# Altium PCB MB1191.PcbDoc (part 2 of 7) (continued)
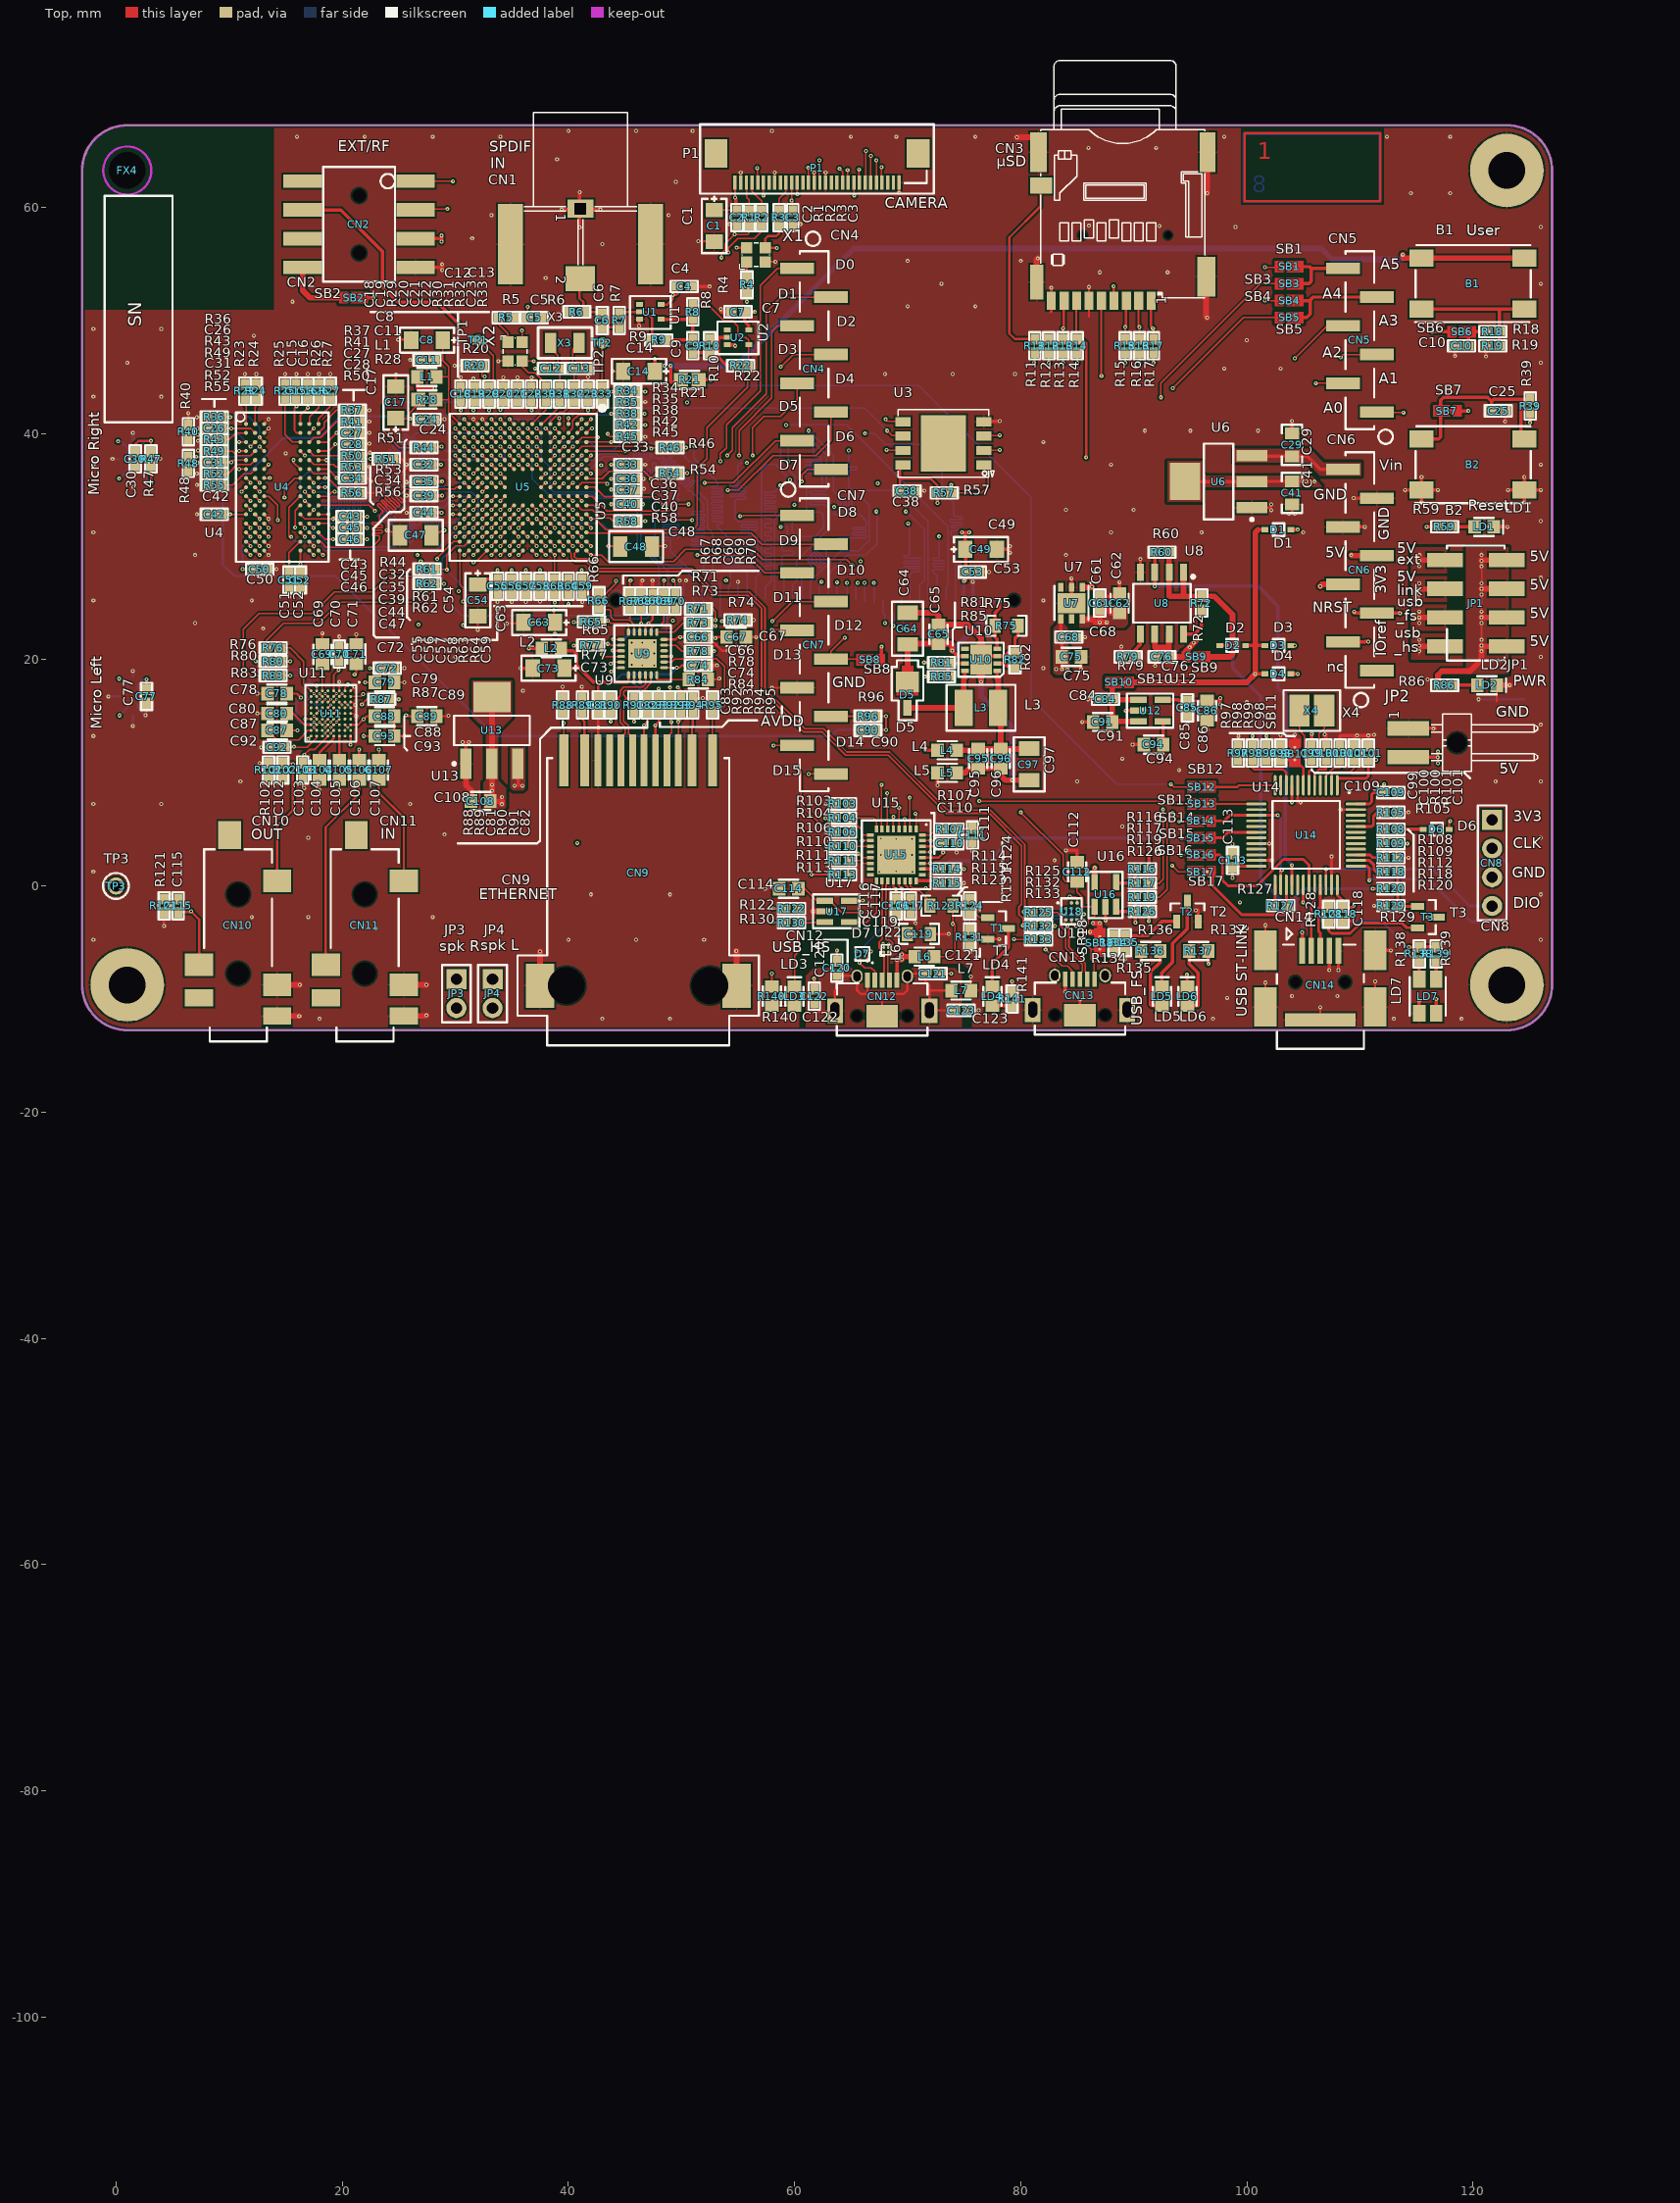
[diagram p0: Top view]
## Nets (pads, with @x,y where several pads share a name; then routed paths per layer and width w, separated by ;. In a path a pad name is that pad's centre, name@x,y a point inside that pad or via, vN(x,y) a via of type N, cw(c..) or ccw(c..) an arc to the next point about the centre after c; other vN are vias at no path point)
1V8: C70.1 C92.1 C93.1 C108.2 C110.2 U11.D1 U11.D8 U11.G9 U13.2 U13.4 U15.28 U15.30 | length 102.9
  Top w0.15: v1(15.75,12.3) 14.85,12.3 C92.1@14.85,12.25 16.9,12.25 17.75,13.1 U11.G9@17.75,13.25 ; v2(19,13.5) U11.D8@19.25,13.75 ; U11.D1@19.25,17.25 19.25,18.65 v1(19.7,19.1) 19.75,19.15 C70.1@19.75,19.9 ; v1(21.9,13.25) C93.1@22.9,13.25
  Top w0.2: U15.28@71.3,2.5 72.75,2.5 73.15,2.9 v1(73.15,2.95) C110.2@73.15,3.75 72.6,3.75 72.35,3.5 U15.30@71.3,3.5
  Top w0.5: U13.4@33.25,16.7 U13.2@33.25,10.8 v1@33.25,8.94 ; v1(33.26,8.95) v1@33.25,8.94 ; v1(34.13,7.23) 34.13,7.48 ; 34.14,7.48 34.13,7.48 ; v1@33.25,8.94 v1(33.25,8.4) 33.25,7.65 C108.2@33.1,7.5 33.1,7.48 34.13,7.48
  F5 w0.5: v1(15.75,12.3) 20.2,12.3 20.2,13.25 ; 19.45,13.25 20.2,13.25 ; v1(19.7,19.1) 20.5,19.9 22.95,19.9 23.5,19.35 23.5,13.35 23.6,13.25 ; v1(34.13,7.23) v1@34.14,7.23 ; v1(34.14,7.85) 34.14,7.51 ; v1(73.15,2.95) 73.15,6.45 69.65,9.95 63.1,9.95 60.68,7.53 34.15,7.53 34.15,7.23 v1@34.14,7.23 ; 20.2,13.25 20.25,13.25 ; 20.2,13.25 20.2,13.3 20.25,13.25 ; 20.25,13.25 v1(21.9,13.25) 23.6,13.25 ; 23.6,13.25 27.85,9 31.71,9 33.2,7.51 34.14,7.51 ; v1@34.14,7.23 34.14,7.51
3V3: C1.1 C2.2 C3.2 C4.2 C5.2 C7.2 C15.2 C16.2 C26.2 C27.2 C28.2 C31.2 C34.2 C38.2 C42.2 C43.2 C45.2 C46.2 C49.1 C50.2 C51.2 C52.2 C53.2 C60.2 C63.1 C68.2 C71.2 C72.1 C75.2 C79.1 C82.2 C83.2 C103.1 C111.1 CN2.5 CN3.4 CN6.2 CN6.4 CN9.5 CN9.6 L2.2 L4.1 P1.20 P1.30 R4.1 R5.1 R12.2 R13.2 R14.2 R15.2 R16.2 R17.2 R21.2 R34.2 R38.1 R39.2 R42.1 R46.2 R54.2 R57.2 R61.2 R62.2 R65.2 R67.2 R70.2 R73.2 R77.2 R80.2 R85.2 R87.2 R90.1 R91.1 R92.1 R93.1 R104.2 R107.2 R110.2 R113.2 R116.2 R122.1 R126.2 R136.2 R137.2 R140.2 R141.2 U1.5 U2.5 U3.8 U4.A7 U4.B2 U4.B7 U4.C9 U4.D9 U4.E1 U4.F9 U4.L1 U4.L7 U4.M9 U4.N9 U4.P2 U4.P7 U4.R7 U7.4 U9.9 U11.B2 U11.C2 U11.D2 U11.E9 U13.3 U19.4 X1.4 X2.4 | length 155.6
  Top w0.12: U4.P2@12.3,30.45 v1(12.7,30.05) ; v1(37.85,23.275) 38.809,23.275 C63.1@38.824,23.29 ; v1(38.725,24.35) 38.725,23.389 C63.1@38.824,23.29 ; v1(38.824,22.269) C63.1@38.824,23.29 ; v1(40.5,23.32) 41.41,23.32 R65.2@41.44,23.35 ; R65.2@41.25,23.5 R65.2@41.3,23.55 ; R65.2@41.42,23.25 R65.2@41.44,23.23
  Top w0.15: C42.2@9.3,32.85 v1(10.1,32.85) U4.L1@11.5,32.85 ; C31.2@9.3,37.45 v1(10.2,37.45) 10.4,37.65 U4.E1@11.5,37.65 ; C26.2@9.3,40.45 v1(10.2,40.45) 11.9,40.45 U4.B2@12.3,40.05 ; C51.2@15.3,27.65 v1(15.3,28.65) 15.3,29.45 U4.P7@16.3,30.45 ; C52.2@16.3,27.65 v1(16.3,28.45) U4.R7@16.3,29.65 ; U4.L7@16.3,32.85 16.7,32.45 v1@19.1,32.45 ; C103.1@16.5,10.85 16.5,11.551 16.65,11.551 v1(16.65,11.6) 17.1,12.05 17.55,12.05 U11.E9@18.75,13.25 ; U4.N9@17.9,31.25 18.5,30.65 v1(19.2,30.65) C46.2@20.1,30.65 ; U4.M9@17.9,32.05 18.7,32.05 19.1,31.65 v1(19.2,31.65) C45.2@20.1,31.65 ; v1(19.2,32.45) v1@19.1,32.45 ; U11.D2@19.25,16.75 v2(19.5,17) ; v1(19.5,36.05) 19.399,36.05 19.449,36 19.503,36.003 C34.2@20.3,36.05 ; U11.C2@19.75,16.75 v2(20,17) U11.B2@20.25,16.75 ; C43.2@20.1,32.65 19.3,32.65 v1@19.1,32.45 ; v1(26.9,26.1) R62.2@26.9,26.75 ; R61.2@26.9,28 26.95,28 v1(26.95,28.7) ; R5.1@35.1,50.25 C5.2@36.4,50.25 v1(36.4,51.2) ; v1(35.9,49.1) 35.925,49.1 X2.4@35.925,48.075 ; R67.2@45.436,25.786 45.436,27 v1(45.5,27) ; R42.1@45.85,40.75 v1(46.8,40.75) ; R38.1@45.85,41.75 v1(46.75,41.75) ; R34.2@45.85,43.75 46.8,43.75 v1(46.8,43.7) ; R92.1@49,16.6 v1(49,17.55) ; v1(49.3,27) 49.3,26.95 49.436,26.814 R70.2@49.436,25.786 ; R46.2@49.6,38.75 v1(50.4,38.75) ; v1(49.7,17.55) 50,17.25 R93.1@50,16.6 ; C1.1@52.9,59.747 54.75,59.747 v1(54.75,60.85) ; P1.30@54.75,62.175 v1(54.75,60.85) ; C2.2@54.9,59.7 54.9,60.7 v1(54.75,60.85) ; R140.2@58,-8.9 v1(58,-7.75) ; P1.20@59.75,62.175 v1(59.75,60.6) 59.85,60.6 C3.2@59.85,59.7
  Top w0.165: C15.2@15.95,43.15 15.95,42.414 v1(15.967,42.414) 15.789,42.236 15.789,40.26 16,40.05 U4.B7@16.3,40.05 ; U4.A7@16.3,40.85 16.3,41.616 v1(16.963,42.279) C16.2@16.95,43.15 ; U4.F9@17.9,36.85 18.75,36.85 19.5,36.1 v1(19.5,36.05) ; U4.D9@17.9,38.45 18.8,38.45 v1(19.4,39.05) 19.413,39.037 C28.2@20.3,39.05 ; U4.C9@17.9,39.25 18.7,39.25 v1(19.5,40.05) 19.513,40.037 C27.2@20.3,40.05
  Top w0.2: v1(11.2,28) C50.2@12.1,28 ; R80.2@14.5,19.85 v1(15.4,19.85) ; v1(21.1,18.7) 21.25,18.85 C71.2@21.25,19.65 ; v1(22.05,18) C79.1@22.9,18 ; v1(22.45,19.25) C72.1@23.4,19.25 ; R87.2@24.1,16.5 v1(25,16.5) ; 35.58,8.87 v1(35.94,8.87) ; v1(40.475,21.25) 41.15,21.25 R77.2@41.4,21.5 ; R90.1@43.75,15.4 43.76,15.4 v1(43.76,14.54) ; R91.1@45.8,15.4 45.81,15.4 v1(45.81,14.53) ; CN9.6@46.694,11.099 46.694,14.194 v1(46.7,14.2) 47,14.5 C82.2@47,15.4 ; U9.9@46.822,22.439 46.822,22.922 v1(47.1,23.2) 47.45,23.55 C60.2@47.45,24.6 ; CN9.5@47.71,11.099 47.71,14.21 v1(47.7,14.2) 48,14.5 C83.2@48,15.4 ; U1.5@48.2,51.4 48.75,51.4 49.25,51.9 v1(49.25,52.25) 49.55,52.25 49.65,52.35 C4.2@49.65,53 ; R54.2@49.6,36.5 v1(50.5,36.5) ; R73.2@52.1,23.25 52.65,23.25 52.9,23 v1(53,23) ; v1(54.875,56.425) X1.4@55.775,56.425 ; v1(55.8,51.65) R4.1@55.8,52.55 ; v1(58.1,-2) R122.1@59.15,-2 ; v1(61.5,1) R113.2@63.65,1 ; v1(62.75,6) R104.2@63.65,6 ; v1(62.8,3.5) R110.2@63.65,3.5 ; U3.8@69.272,37.269 69.347,37.269 69.347,36 ; C38.2@69.347,34.924 69.347,36 ; R57.2@72.65,34.75 72.65,35.4 72.05,36 69.347,36 ; v1(82.5,46.25) R12.2@82.5,47.15 ; v1(83.75,46.25) R13.2@83.75,47.15 ; v1(85,46.25) R14.2@85,47.15 ; v1(88.225,53.025) 88.225,51.4 CN3.4@88.45,51.175 ; v1(89.25,46.25) R15.2@89.25,47.15 ; v1(90.5,46.25) R16.2@90.5,47.15 ; v1(91.75,46.25) R17.2@91.75,47.15
  Top w0.3: CN2.5@26.5,57.23 28.8,57.23 ; v1(28.8,56.95) 28.8,57.23 ; v1(28.8,57.5) 28.8,57.23 ; U13.3@35.55,10.8 35.58,10.8 35.58,8.87 ; v1(36.5,21) L2.2@37.65,21 ; R21.2@51.525,44.75 v1(52.6,44.75) ; U2.5@55.95,49.15 55.95,49.55 55.6,49.9 C7.2@55.6,50.75 v1(56.5,50.75) ; v1(71.55,12) L4.1@72.65,12 ; v1(71.55,18.5) R85.2@72.4,18.5 ; v1(72.65,33.85) R57.2@72.65,34.75 ; R107.2@74.35,5 75.75,5 C111.1@75.75,5.1 v1(76.6,5.1) ; v1(74.8,31.25) 75.103,31.25 ; v1(74.975,26.95) 75.15,27 C53.2@75.15,27.75 75.15,29.75 C49.1@75.103,29.75 75.103,31.25 ; v1(75.45,31.25) 75.103,31.25 ; R141.2@79.25,-9.4 v1(79.25,-8.45) ; U7.4@83.55,23.6 83.55,22 C68.2@83.65,22 C75.2@83.65,20.25 v1(83.65,19.15) ; v1(90.65,-6.85) R136.2@90.65,-5.75 ; v1(91.35,-3.1) R126.2@91.35,-2.25 ; R116.2@91.35,1.5 v1(91.35,3.75) ; v1(96.6,-6.9) R137.2@96.6,-5.75 ; CN6.2@108.5,21.58 110.45,21.58 110.45,21.6 v1(110.75,21.6) ; v1(125.05,40.95) 125.071,40.95 R39.2@125.071,41.821
  Top w0.5: v1(106.5,26.5) 106.66,26.66 CN6.4@108.5,26.66
  F2 w0.2: v1(35.24,8.87) v1(35.94,8.87)
  Bottom w0.15: v1(11.2,28) 11.2,30.15 11.5,30.45 12.3,30.45 v1(12.7,30.05)
  Bottom w0.3: U19.4@74.975,25.25 v1(74.975,26.95)
  other v1: 84.12,19.14 83.14,19.17
3V3_ST_LINK: C85.2 C86.1 C101.2 C109.2 C113.2 C118.1 CN8.1 LD7.4 R98.1 R99.2 R109.2 T3.3 U12.5 U14.1 U14.9 U14.24 U14.36 U14.48 | length 28
  Top w0.25: v1(98.75,0.7) C113.2@98.75,1.65 98.75,1.75 U14.24@100.85,1.75 ; R98.1@100.5,12.35 v1(100.5,13.25) ; R99.2@101.75,12.35 v1(101.75,13.25) ; v1(104,7.4) U14.9@104,8.9 ; U14.36@108,0.1 108,-0.8 108.5,-1.3 C118.1@108.5,-1.9 109.3,-1.9 v1(109.45,-1.75) ; U14.1@108,8.9 108,9.5 110.55,9.5 110.75,9.7 C101.2@110.75,11.15 v1(111.45,11.15) ; U14.48@109.65,7.25 110.85,7.25 111.05,7.45 111.05,8.1 111.2,8.25 C109.2@112.15,8.25 v1(112.15,9) ; R109.2@113.35,3.75 v1(114.2,3.75) ; v1(116,-2.75) T3.3@116.9,-2.75
  Top w0.3: U12.5@92.575,16.45 93.95,16.45 94.05,16.35 C85.2@94.75,16.35 97.65,16.35 ; v1(97.65,16.05) 97.65,16.35 ; v1(97.65,16.6) 97.65,16.35 ; LD7.4@116.75,-11.25 v1(116.75,-10)
5V: C61.2 C62.2 C117.1 CN6.5 D6.1 JP1.2 JP1.4 JP1.6 JP1.8 R86.1 SB2.2 U7.1 U7.6 U15.21 U16.5 U17.5 | length 246.6
  Top w0.15: U15.21@69.25,0.45 69.25,0.001 v1(69.5,-0.25) ; 120.72,28.072 120.75,28.042 ; v1(120.75,21.75) v1(120.75,23.25) ; v1(120.75,24.25) v1(120.75,25.75) ; v1(120.75,26.75) 120.771,26.771 120.771,28.021 120.75,28.042 ; v1(120.75,28.75) v1(120.75,28.25) 120.75,28.042 ; v1@120.75,28.81 v1(120.75,29.25) 120.75,29.489
  Top w0.2: U17.5@64.825,-1.3 v1(66.05,-1.3) ; v1(69.5,-0.25) 69.601,-0.35 69.601,-0.951 69.8,-1.15 C117.1@70.25,-1.15 ; D6.1@117.893,5 117.893,5.75 v1(118,5.75)
  Top w0.3: SB2.2@21.6,52 v1(22.75,52)
  Top w0.5: U7.6@85.45,23.6 85.51,23.54 86.39,23.54 86.63,23.3 v1(87,23.3) ; U7.1@85.45,26.4 86.3,26.4 v1(86.3,26.45) ; U16.5@86.55,0.325 v1(86.55,1.6) ; v1(87.62,23.3) v1(87,23.3) ; C62.2@88.75,24.15 87.95,24.15 87.7,24.4 C61.2@87,24.4 v1(87,23.3) ; v1(109.25,29.25) 109.3,29.2 CN6.5@111.5,29.2 ; R86.1@116.9,17.75 116.9,18.65 117.25,19 119.75,19 120.75,20 v1(120.75,20.75) v1@120.75,21.19 ; v1(120.75,21.25) v1@120.75,21.19 ; v1(120.75,23.75) 120.75,23.73 JP1.6@122.981,23.73 ; v1@120.75,26.25 v1(120.75,26.27) JP1.4@122.981,26.27 ; v1(120.75,28.75) 120.75,28.81 JP1.2@122.981,28.81 ; JP1.8@122.981,21.19 v1@120.75,21.19
  F5 w0.15: v1(120.75,21.25) v1(120.75,21.75) 120.75,22 ; v1(120.75,23.25) v1(120.75,23.75) v1(120.75,24.25) ; v1(120.75,25.75) v1(120.75,26.27) v1(120.75,26.75)
  F5 w0.2: v1(66.05,-1.3) v1@66.07,-1.3 ; v1@86.55,1.54 v1(86.55,1.6)
  F5 w0.5: v1(22.75,52) 20.88,50.13 11.18,50.13 8.32,47.27 8.32,9.61 11.65,6.28 26.29,6.28 30.42,2.15 57.69,2.15 61.14,-1.3 v1(66.05,-1.3) ; v1@66.07,-1.3 66.12,-1.25 70.15,-1.25 ; 70.25,-1.15 70.15,-1.25 ; v1(86.3,26.45) 86.3,23.63 86.63,23.3 v1(87,23.3) 87,1.99 v1@86.55,1.54 ; v1(86.55,1.6) 85.1,1.6 84.75,1.25 82,1.25 79.5,-1.25 70.15,-1.25 ; v1(87.62,23.3) 88.45,23.3 89.9,24.75 90,24.75 90,27 92.17,29.17 109.17,29.17 v1(109.25,29.25) v1@109.185,29.185 ; v1@117.893,5.75 v1(118,5.75) ; 118,5 v1(118,5.75) ; v1(120.75,21.25) v1(120.75,20.75) 120.75,19.1 119.95,18.3 119.95,11.2 118,9.25 v1(118,5.75)
  Bottom w0.2: v1(120.75,20.75) v1(120.75,21.25)
5V_ST_LINK: C76.2 JP1.3 SB9.1 U8.6 U8.7 | length 33.2
  Top w0.2: 94.6,20.25 SB9.1@95,20.25 ; v1(95.3,21.5) v1@95.35,21.55 ; v1@115.23,26.786 115.258,26.758 v1(115.25,26.75) ; 115.232,25.5 v1@115.232,25.602
  Top w0.3: v1@95.35,21.5 v1@95.35,21.55
  Top w0.5: U8.6@91.865,22.269 91.865,21.1 93.1,21.1 ; U8.7@93.135,22.269 93.1,22.269 93.1,21.1 ; v1(95.65,21.8) 95.35,21.5 v1(94.95,21.1) 94.6,20.75 94.6,20.25 C76.2@93.1,20.25 93.1,21.1 ; v1(115.25,26.25) 117.52,26.25 JP1.3@117.52,26.27
  F5 w0.2: v1@95.3,21.6 95.575,21.875 97.75,24.05
  F5 w0.5: v1(95.3,21.5) v1@95.3,21.6 ; 97.75,24.05 98.7,25 ; 98.95,25.25 98.7,25 ; v1(115.25,26.25) 107.5,26.25 107,25.75 99.45,25.75 98.7,25
  other v1: 115.25,25.75
5V_USB_FS: D3.1 JP1.5 SB18.1 | length 54.8
  Top w0.15: SB18.1@87,-4.5 87,-4.3
  Top w0.2: D3.1@103.893,21.25 v1(104.25,21.25)
  Top w0.5: v1(86.15,-4.05) 86.15,-4.1 87,-4.1 ; v1@86.5,-3.3 v1(87,-3.3) 87,-4.1 ; 87,-4.3 87,-4.1 ; 115,23.75 115.25,23.75 v1(115.25,23.73) JP1.5@117.52,23.73
  F5 w0.15: v1@115.203,24.297 v1(115.25,24.25)
  F5 w0.2: v1(87,-3.3) 87,-2.2 86.8,-2.2 90.75,1.75 90.75,11.5 101,21.75 104.75,21.75 ; v1(104.25,21.25) 104.55,21.55 104.75,21.75 ; 109.25,22.25 109.7,22.7 110,23 ; 112.75,22.5 112.75,23.2 ; 115,23.75 115.25,23.75 v1(115.25,23.73) v1(115.25,23.25) 115.25,23.2 112.75,23.2 ; 104.75,21.75 108.75,21.75 110,23 ; 110,23 110.2,23.2 112.75,23.2
  other v1: 86.4,-3.3
5V_USB_HS: CN12.1 D4.1 D7.A1 JP1.7 L6.2 | length 74.9
  Top w0.12: D7.A1@66.2,-6.2 66.525,-6.525 66.6,-6.6 v1(66.45,-6.6) ; 115.25,20.4 v1(115.25,20.75) 115.25,21.19 v1(115.25,21.25) v1(115.25,21.75) v1@115.25,21.8
  Top w0.3: v1(69.05,-6.55) v1@69.057,-6.543 ; CN12.1@69.057,-8.318 v1@69.057,-6.543 ; v1(69.5,-6.05) 69.057,-6.493 69.057,-6.5 v1@69.057,-6.543 ; D4.1@103.893,18.75 v1(104.5,18.75)
  Top w0.5: v1@69.057,-6.5 v1(69.5,-6.5) ; v1(69.5,-6.05) 69.5,-6.25 L6.2@70.65,-6.25 ; v1@115.25,21.19 JP1.7@117.519,21.19
  F5 w0.5: v1(66.45,-6.6) 66.6,-6.75 68.85,-6.75 v1(69.05,-6.55) 69.1,-6.5 v1(69.5,-6.5) 79.25,-6.5 80.85,-4.9 87.9,-4.9 87.75,-4.75 90.75,-4.75 ; 91.25,-4.75 90.75,-4.75 ; v1(115.25,21.25) v1(115.25,20.75) 115.25,20.5 106.75,12 100.75,12 96.25,7.5 96.25,0.75 90.75,-4.75
5V_USB_ST_LINK: CN14.1 D2.1 R60.2 R72.2 R120.2 SB9.2 U8.1 U8.2 | length 59.5
  Top w0.3: D2.1@97.607,21.25 v1(98.75,21.25) 98.75,20.5 98.75,20.25 98.5,20.25 ; v1(104.9,-4.1) 104.903,-4.1 CN14.1@104.903,-5.75 ; v1(111.15,-0.25) R120.2@112.15,-0.25
  Top w0.5: R60.2@93.1,29.5 93.135,29.5 U8.2@93.135,27.73 93.135,25.65 93.185,25.6 94.405,25.6 ; U8.1@94.405,27.73 94.405,25.6 ; SB9.2@96.1,20.25 98.5,20.25 98.75,20.5 ; v1(98.75,21.25) 98.75,24 97.15,25.6 94.405,25.6
  Bottom w0.3: v1(98.75,21.25) 98.75,19.25 101.25,16.75 101.25,0.55 104.35,-2.55 ; v1(104.9,-4.1) 104.9,-3.1 104.35,-2.55 ; v1(111.15,-0.25) 105,-0.25 104.35,-0.9 104.35,-2.55
AIN_1: R97.2 R98.2 U14.10 | length 6.2
  Top w0.2: R97.2@99.25,11.15 R98.2@100.5,11.15 100.5,10.45 100.65,10.3 103.2,10.3 103.5,10 U14.10@103.5,8.9
ARD_A0: CN5.1 U5.N3 | length 92
  Top w0.12: v1(31.6,39.65) U5.N3@32,39.25 ; CN5.1@111.5,41.9 111.5,41.85 v1(113.85,41.85)
  F4 w0.12: v1(31.6,39.65) 32,39.25 35.15,39.25 35.2,39.3 35.2,39.95 35.3,40.05 36.55,40.05 36.8,40.3 36.8,41.45 41.29,45.94 47.7,45.94 48.45,46.69 66.9,46.69 67.51,47.3 86.9,47.3 91.6,42.6 113.1,42.6 v1(113.85,41.85)
ARD_A1: CN5.2 U5.L1 | length 82.7
  Top w0.12: v1(33.2,41.25) U5.L1@33.6,40.85 ; v1(106.1,44.45) 108.5,44.45 CN5.2@108.5,44.44
  F4 w0.12: v1(33.2,41.25) 33.35,41.4 33.35,41.65 33.6,41.9 33.6,45.3 36.8,48.5 91.65,48.5 95.7,44.45 v1(106.1,44.45)
ARD_A2: CN5.3 U5.L2 | length 86.9
  Top w0.12: v1(33.2,40.45) U5.L2@33.6,40.05 ; v1(108.3,46.75) 108.53,46.98 CN5.3@111.5,46.98
  F4 w0.12: v1(33.2,40.45) 33.6,40.85 33.6,41.4 33.9,41.7 34.15,41.7 40.65,48.2 90.65,48.2 95.65,43.2 106.15,43.2 107.35,44.4 107.35,45.8 v1(108.3,46.75)
ARD_A3: CN5.4 U5.L3 | length 86.3
  Top w0.12: v1(33.2,39.65) U5.L3@33.6,39.25 ; v1(104.25,46.65) 107.12,49.52 CN5.4@108.5,49.52
  F4 w0.12: v1(33.2,39.65) 32.8,40.05 32.8,41.55 32.6,41.75 32.6,42.7 33,43.1 33,45.05 36.75,48.8 49.75,48.8 50.75,49.8 80.9,49.8 81.9,48.8 91.9,48.8 93.95,46.75 104.15,46.75 v1(104.25,46.65)
ARD_A4: SB5.1 U5.K1 | length 76.8
  Top w0.12: v1(34,41.25) U5.K1@34.4,40.85 ; v1(93.45,44) 99.7,50.25 SB5.1@103.25,50.25
  F4 w0.12: v1(34,41.25) 34.15,41.25 40.18,47.28 65.98,47.28 66.6,47.9 89.5,47.9 93.4,44 v1(93.45,44)
ARD_A5: SB3.1 U5.K2 | length 79.5
  Top w0.12: v1(34,40.45) U5.K2@34.4,40.05 ; v1(92.4,43.2) 92.4,44.45 101.2,53.25 SB3.1@103.25,53.25
  F4 w0.12: v1(34,40.45) 34.4,40.85 34.98,40.85 41.12,46.99 66.51,46.99 67.12,47.6 87.1,47.6 91.5,43.2 v1(92.4,43.2)
ARD_D0: CN4.1 U5.G15 | length 49.3
  Top w0.12: U5.G15@36.8,29.65 v1(37.2,29.25) ; v1(53.45,37.55) 53.45,38.2 54,38.75 54,40.75 57,43.75 57,53.1 58.5,54.6 CN4.1@60.24,54.6
  F4 w0.12: v1(37.2,29.25) 37.6,29.65 39.8,29.65 40,29.45 40,29.05 40.2,28.85 50.3,28.85 51.95,30.5 55.45,30.5 55.85,30.9 55.85,35.1 53.45,37.5 v1(53.45,37.55)
ARD_D1: CN4.2 U5.H15 | length 51.3
  Top w0.12: v1(35.6,29.25) U5.H15@36,29.65 ; v1(54.05,38.05) 54.5,38.5 54.5,40.5 57.5,43.5 57.5,50.75 58.81,52.06 CN4.2@63.24,52.06
  F4 w0.12: v1(35.6,29.25) 36.05,28.8 38.1,28.8 38.6,28.3 54.15,28.3 56.1,30.25 56.1,35.3 54.05,37.35 v1(54.05,38.05)
ARD_D2: CN4.3 U5.J15 | length 47.1
  Top w0.12: v1(34.8,29.25) U5.J15@35.2,29.65 ; v1(55.1,38.05) 55.1,40.25 58,43.15 58,49.02 58.5,49.52 CN4.3@60.24,49.52
  F4 w0.12: v1(34.8,29.25) 35.5,28.55 37.85,28.55 38.95,27.45 43.05,27.45 43.5,27.9 54.25,27.9 56.35,30 56.35,36.25 55.1,37.5 v1(55.1,38.05)
ARD_D3: CN4.4 U5.A9 | length 30.4
  Top w0.12: U5.A9@41.6,34.45 42.1,34.45 43.4,33.15 48.85,33.15 49.45,33.75 v1(50.65,33.75) ; v1(58.8,45.9) 59.88,46.98 CN4.4@63.24,46.98
  F6 w0.12: v1(50.65,33.75) 50.85,33.75 51.35,34.25 51.35,38.45 v1(58.8,45.9)
ARD_D4: CN4.5 U5.J14 | length 43.4
  Top w0.12: v1(34.8,30.05) U5.J14@35.2,30.45 ; v1(56.3,38.05) 56.3,40.5 57.3,41.5 58.75,41.5 60.24,42.99 CN4.5@60.24,44.44
  F4 w0.12: v1(34.8,30.05) 34.4,29.65 34.4,28.9 35,28.3 37.75,28.3 39,27.05 43.1,27.05 43.5,27.45 54.3,27.45 56.75,29.9 56.75,37.6 v1(56.3,38.05)
ARD_D5: CN4.6 U5.E14 | length 32
  Top w0.12: U5.E14@38.4,30.45 v1(38.8,30.05) ; v1(54.1,35) 55.05,35 58.1,38.05 61.9,38.05 63.24,39.39 CN4.6@63.24,41.9
  F4 w0.12: v1(38.8,30.05) 39.2,30.45 42.4,30.45 42.95,31 51.2,31 54.1,33.9 v1(54.1,35)
ARD_D6: CN4.7 U5.P13 | length 33.5
  Top w0.12: v1(30.8,30.85) U5.P13@31.2,31.25 ; v1(52.05,35.65) 54.6,35.65 58.31,39.36 CN4.7@60.24,39.36
  F4 w0.12: v1(30.8,30.85) 31.2,31.25 36.2,31.25 37,32.05 44,32.05 46.35,34.4 50.8,34.4 v1(52.05,35.65)
ARD_D7: CN4.8 U5.C13 | length 32.6
  Top w0.12: U5.C13@40,31.25 v1(40.4,30.85) ; v1(60.65,35.75) 60.65,36.33 61.14,36.82 CN4.8@63.24,36.82
  F4 w0.12: v1(40.4,30.85) 40.8,31.25 50.75,31.25 52.6,33.1 52.6,37.7 53.5,38.6 59.99,38.6 60.66,37.93 60.66,35.76 v1(60.65,35.75)
ARD_D8: CN7.1 U5.C14 | length 21.9
  Top w0.12: U5.C14@40,30.45 v1(40.4,30.05) ; v1(55.2,32.7) 55.45,32.7 55.506,32.756 CN7.1@60.24,32.756
  F4 w0.12: v1(40.4,30.05) 40.8,29.65 50.75,29.65 53.8,32.7 v1(55.2,32.7)
ARD_D9: CN7.2 U5.A13 | length 22.1
  Top w0.12: U5.A13@41.6,31.25 41.65,31.2 56.15,31.2 57.134,30.216 CN7.2@63.24,30.216
ARD_D10: CN7.3 U5.F15 | length 24
  Top w0.12: U5.F15@37.6,29.65 v1(38,29.25) ; v1(51.4,29.25) 55.8,29.25 57.374,27.676 CN7.3@60.24,27.676
  F4 w0.12: v1(38,29.25) 38.65,28.6 50.75,28.6 v1(51.4,29.25)
ARD_D11: CN7.4 U5.R15 | length 39.1
  Top w0.12: U5.R15@30.4,29.65 30.4,26.65 30.7,26.35 v1(30.7,25.15) ; v1(58.05,23.4) 59.786,25.136 CN7.4@63.24,25.136
  F3 w0.12: v1(30.7,25.15) 30.7,25.2 32.95,25.2 33.95,24.2 37.8,24.2 38.25,23.75 42.05,23.75 42.5,24.2 57.25,24.2 v1(58.05,23.4)
ARD_D12: CN7.5 U5.R14 | length 39.7
  Top w0.12: v1(28.4,28.9) 28.4,29 29.85,30.45 U5.R14@30.4,30.45 ; v1(58,22.65) 60.24,22.65 CN7.5@60.24,22.596
  F3 w0.12: v1(28.4,28.9) 29.05,28.9 29.7,28.25 29.7,25.3 31.1,23.9 37.75,23.9 38.7,22.95 40.8,22.95 41.05,23.2 42.15,23.2 42.85,23.9 54.1,23.9 55.35,22.65 v1(58,22.65)
ARD_D13: CN7.6 SB8.2 U5.D14 | length 35.6
  Top w0.12: U5.D14@39.2,30.45 v1(39.6,30.05) ; v1(64.45,21.95) 63.24,20.74 CN7.6@63.24,20.056 66.15,20.056 SB8.2@66.15,20
  F3 w0.12: v1(39.6,30.05) 40,29.65 40,28.13 40.74,27.39 42.531,27.39 43.251,28.11 58.32,28.11 64.45,21.98 v1(64.45,21.95)
ARD_D14: CN2.1 CN7.9 R2.1 R46.1 SB4.1 U5.B4 | length 148
  Top w0.12: CN2.1@26.5,62.31 26.5,62.3 v1(29.8,62.3) ; U5.B4@40.8,38.45 41.2,38.85 47.15,38.85 v1(47.35,38.65) 47.35,38.75 R46.1@48.4,38.75 ; v1(54.15,56) 54.15,56.4 55,57.25 56.45,57.25 57.05,57.85 57.05,58.5 R2.1@57.1,58.5 ; v1(58.15,12.4) 58.15,12.436 CN7.9@60.24,12.436 ; v1(101.6,51.75) SB4.1@103.25,51.75
  F6 w0.12: v1(29.8,62.3) 41.8,62.3 47.9,56.2 54.1,56.2 ; v1(58.15,12.4) 58.15,16.25 57.35,17.05 57.35,19.15 55.06,21.44 55.06,23.3 52.2,26.16 52.2,27.119 49.39,29.929 49.39,32.169 47.85,33.709 47.85,38.15 v1(47.35,38.65) 48.35,39.65 48.35,41.6 54.15,47.4 v1(54.15,56) v1@54.15,56.15 ; v1(101.6,51.75) 97.4,55.95 64.35,55.95 63.06,57.24 57.54,57.24 56.25,55.95 54.35,55.95 54.225,56.075 v1@54.15,56.15 ; 54.1,56.2 54.15,56.2 v1@54.15,56.15 ; 54.1,56.2 v1@54.15,56.15
ARD_D15: CN2.3 CN7.10 R1.1 R54.1 SB1.1 U5.A7 | length 150.1
  Top w0.12: CN2.3@26.5,59.77 26.5,59.85 v1(29.3,59.85) ; U5.A7@41.6,36.05 41.65,36 43,36 43.65,36.65 46.7,36.65 47.3,36.05 v1(47.3,36) 47.8,36.5 R54.1@48.4,36.5 ; v1(53.55,55.55) 53.55,55.95 53.86,56.26 53.86,56.76 v1(54.7,57.6) 55.85,57.6 56,57.75 R1.1@56,58.5 ; v1(61.25,9.9) 61.25,9.896 CN7.10@63.24,9.896 ; v1(101.6,54.7) 103.2,54.7 SB1.1@103.25,54.75
  F6 w0.12: v1(29.3,59.85) 31.1,59.85 35.4,55.55 v1(53.55,55.55) 53.55,52.78 53.05,52.28 53.05,46.9 48.05,41.9 48.05,40.05 46.95,38.95 46.95,38.1 47.2,37.85 47.2,36.1 v1(47.3,36) 47.61,35.69 47.61,33.61 49.15,32.07 49.15,29.83 51.91,27.07 51.91,26.06 54.8,23.17 54.8,20.8 56.7,18.9 56.7,11.6 58.4,9.9 v1(61.25,9.9) ; v1(54.7,57.6) 56.15,59.05 97.25,59.05 v1(101.6,54.7)
BLGND: C64.2 C65.1 C95.1 C96.1 C97.2 L5.2 R75.1 R82.2 U10.3 U10.9 | length 34.6
  Top w0.2: v1(79.25,9.35) v1@79.25,9.353
  Top w0.3: U10.9@76.5,20.325 U10.3@77.925,20.325 78.575,20.325 78.9,20.65 R82.2@79.5,20.65 ; R82.2@79.5,20.6 R82.2@79.5,20.65 ; R75.1@79.766,23 79.766,22.166 79.5,21.9 R82.2@79.5,20.65 ; C97.2@80.47,9.353 C97.2@80.75,9.353
  Top w0.5: C64.2@70,24.147 72.473,24.147 72.75,23.87 C65.1@72.75,23.1 75.32,23.1 76.5,21.92 76.5,20.325 U10.9@76.5,20 v1(76.5,18.05) ; L5.2@74.35,10 75.1,10 75.5,10.4 C95.1@76.25,10.4 C96.1@78.25,10.4 78.25,9.75 78.647,9.353 79.25,9.353 C97.2@80.47,9.353
  Bottom w0.5: v1(76.5,18.05) 76.5,16.78 79.25,14.03 v1(79.25,9.35)
BOOT0: R42.2 R45.2 U5.E6 | length 9.6
  Top w0.12: U5.E6@38.4,36.85 v1(38.8,37.25) ; v1(43.5,39.95) 43.7,39.75 R45.2@44.6,39.75 ; R45.2@44.65,39.75 R45.2@44.6,39.75 ; R42.2@44.65,40.75 44.6,40.75 R45.2@44.6,39.75
  F5 w0.12: v1(38.8,37.25) 39.2,37.65 39.2,39 39.45,39.25 43.05,39.25 43.5,39.7 v1(43.5,39.95)
CAMERA_CLK: P1.21 R3.2 | length 2.7
  Top w0.12: R3.2@58.65,59.7 58.65,60.75 59.25,61.35 P1.21@59.25,62.175
DCMI_D0: P1.4 U5.N14 | length 75.8
  Top w0.12: v1(31.6,30.05) U5.N14@32,30.45 ; v1(67.7,63.55) 67.7,62.175 P1.4@67.75,62.175
  F5 w0.12: v1(31.6,30.05) 31.2,30.45 28.55,30.45 27.63,31.37 27.63,47.94 32.54,52.85 44.03,52.85 44.9,53.72 44.9,62.94 46.49,64.53 63.27,64.53 63.95,63.85 66.05,63.85 66.35,63.55 v1(67.7,63.55)
DCMI_D1: P1.5 U5.P15 | length 75.4
  Top w0.12: v1(30.8,29.25) U5.P15@31.2,29.65 ; P1.5@67.25,62.175 v1(67.25,64.15)
  F5 w0.12: v1(30.8,29.25) 29.4,29.25 27.36,31.29 27.36,48.46 33.63,54.73 42.92,54.73 43.8,55.61 43.8,63.26 45.35,64.81 63.94,64.81 64.6,64.15 v1(67.25,64.15)
DCMI_D2: P1.6 U5.N15 | length 74.9
  Top w0.12: v1(31.6,29.25) U5.N15@32,29.65 ; P1.6@66.75,62.175 v1(66.75,64.54)
  F5 w0.12: v1(31.6,29.25) 31.15,28.8 29.5,28.8 27.09,31.21 27.09,48.88 34.58,56.37 38.1,56.37 39.02,57.29 39.02,60.81 43.27,65.06 64.24,65.06 64.76,64.54 v1(66.75,64.54)
DCMI_D3: P1.7 U5.M15 | length 75
  Top w0.12: v1(31.6,28.6) 31.75,28.6 U5.M15@32.8,29.65 ; P1.7@66.25,62.175 66.32,62.175 v1(66.32,64.97)
  F5 w0.12: v1(31.6,28.6) 31.55,28.55 29.3,28.55 26.82,31.03 26.82,49.43 42.69,65.3 66.08,65.3 66.32,65.06 v1(66.32,64.97)
DCMI_D4: P1.8 U5.E13 | length 74.5
  Top w0.12: v1(38,31.65) U5.E13@38.4,31.25 ; v1(65.7,63.35) 65.7,62.05 65.75,62 P1.8@65.75,62.175
  F3 w0.12: v1(38,31.65) 38.4,32.05 38.4,34.45 39.1,35.15 42.05,35.15 43.3,36.4 44.4,36.4 46.05,38.05 47.88,38.05 51.29,41.46 51.29,49.84 50.94,50.19 49.77,50.19 49.71,50.25 49.71,50.37 49.77,50.43 51.09,50.43 51.15,50.49 51.15,50.61 51.09,50.67 49.77,50.67 49.71,50.73 49.71,50.85 49.77,50.91 51.09,50.91 51.15,50.97 51.15,51.09 51.09,51.15 49.77,51.15 49.71,51.21 49.71,51.33 49.77,51.39 51.09,51.39 51.15,51.45 51.15,51.57 51.09,51.63 50.49,51.63 50.43,51.69 50.43,56.37 50.37,56.43 49.77,56.43 49.71,56.49 49.71,56.61 49.77,56.67 51.09,56.67 51.15,56.73 51.15,56.85 51.09,56.91 49.77,56.91 49.71,56.97 49.71,57.09 49.77,57.15 51.09,57.15 51.15,57.21 51.15,57.33 51.09,57.39 49.77,57.39 49.71,57.45 49.71,57.57 49.77,57.63 51.09,57.63 51.15,57.69 51.15,57.81 51.09,57.87 50.49,57.87 50.43,57.93 50.43,61.6 51.03,62.2 65.44,62.2 65.7,62.46 v1(65.7,63.35)
DCMI_D5: P1.9 U5.C11 | length 75.3
  Top w0.12: U5.C11@40,32.85 v1(40.4,32.45) ; P1.9@65.25,62.175 65.25,61.1 v1(65.3,61.05)
  F3 w0.12: v1(40.4,32.45) 40,32.85 40,33.45 40.2,33.65 42.35,33.65 42.85,34.15 46.75,34.15 47.43,34.83 52.61,34.83 53.73,35.95 55.62,35.95 60.839,41.169 60.839,41.253 60.414,41.678 60.414,41.763 60.499,41.847 60.584,41.847 61.517,40.914 61.602,40.914 61.687,40.999 61.687,41.084 60.754,42.017 60.754,42.102 60.839,42.187 60.923,42.187 61.857,41.253 61.942,41.253 62.027,41.338 62.027,41.423 61.093,42.357 61.093,42.441 61.178,42.526 61.263,42.526 62.196,41.593 62.281,41.593 62.366,41.678 62.366,41.763 61.942,42.187 61.942,42.272 67.28,47.61 67.28,51.15 67.22,51.21 66.62,51.21 66.56,51.27 66.56,51.39 66.62,51.45 67.94,51.45 68,51.51 68,51.63 67.94,51.69 66.62,51.69 66.56,51.75 66.56,51.87 66.62,51.93 67.94,51.93 68,51.99 68,52.11 67.94,52.17 66.62,52.17 66.56,52.23 66.56,52.35 66.62,52.41 67.94,52.41 68,52.47 68,52.59 67.94,52.65 67.34,52.65 67.28,52.71 67.28,56.25 67.22,56.31 66.62,56.31 66.56,56.37 66.56,56.49 66.62,56.55 67.94,56.55 68,56.61 68,56.73 67.94,56.79 66.62,56.79 66.56,56.85 66.56,56.97 66.62,57.03 67.94,57.03 68,57.09 68,57.21 67.94,57.27 66.62,57.27 66.56,57.33 66.56,57.45 66.62,57.51 67.94,57.51 68,57.57 68,57.69 67.94,57.75 67.34,57.75 67.28,57.81 67.28,60.13 66.36,61.05 v1(65.3,61.05)
DCMI_D6: P1.10 U5.B1 | length 74.8
  Top w0.12: U5.B1@40.8,40.85 v1(41.2,41.25) ; v1(64.7,63.3) 64.7,62.175 P1.10@64.75,62.175
  F3 w0.12: v1(41.2,41.25) 41.2,46.84 41.26,46.9 41.86,46.9 41.92,46.96 41.92,47.08 41.86,47.14 40.54,47.14 40.48,47.2 40.48,47.32 40.54,47.38 41.86,47.38 41.92,47.44 41.92,47.56 41.86,47.62 40.54,47.62 40.48,47.68 40.48,47.8 40.54,47.86 41.86,47.86 41.92,47.92 41.92,48.04 41.86,48.1 40.54,48.1 40.48,48.16 40.48,48.28 40.54,48.34 41.14,48.34 41.2,48.4 41.2,54.1 40.21,55.09 37.86,55.09 37.27,55.68 37.27,61.14 37.21,61.2 36.61,61.2 36.55,61.26 36.55,61.38 36.61,61.44 37.93,61.44 37.99,61.5 37.99,61.62 37.93,61.68 36.61,61.68 36.55,61.74 36.55,61.86 36.61,61.92 37.93,61.92 37.99,61.98 37.99,62.1 37.93,62.16 36.61,62.16 36.55,62.22 36.55,62.34 36.61,62.4 37.93,62.4 37.99,62.46 37.99,62.58 37.93,62.64 37.33,62.64 37.27,62.7 37.27,64.91 38.41,66.05 63.81,66.05 64.7,65.16 v1(64.7,63.3)
DCMI_D7: P1.11 U5.B2 | length 74.9
  Top w0.12: U5.B2@40.8,40.05 v1(41.2,40.45) ; v1(64,63.4) 64.25,63.15 P1.11@64.25,62.175
  F3 w0.12: v1(41.2,40.45) 41.6,40.85 45.05,40.85 45.74,41.54 45.74,47.62 45.68,47.68 45.08,47.68 45.02,47.74 45.02,47.86 45.08,47.92 46.4,47.92 46.46,47.98 46.46,48.1 46.4,48.16 45.08,48.16 45.02,48.22 45.02,48.34 45.08,48.4 46.4,48.4 46.46,48.46 46.46,48.58 46.4,48.64 45.08,48.64 45.02,48.7 45.02,48.82 45.08,48.88 46.4,48.88 46.46,48.94 46.46,49.06 46.4,49.12 45.8,49.12 45.74,49.18 45.74,51.76 45.68,51.82 45.08,51.82 45.02,51.88 45.02,52 45.08,52.06 46.4,52.06 46.46,52.12 46.46,52.24 46.4,52.3 45.08,52.3 45.02,52.36 45.02,52.48 45.08,52.54 46.4,52.54 46.46,52.6 46.46,52.72 46.4,52.78 45.08,52.78 45.02,52.84 45.02,52.96 45.08,53.02 46.4,53.02 46.46,53.08 46.46,53.2 46.4,53.26 45.25,53.26 44.84,53.67 44.84,57.79 45.35,58.3 46.4,58.3 46.46,58.36 46.46,58.48 46.4,58.54 45.08,58.54 45.02,58.6 45.02,58.72 45.08,58.78 46.4,58.78 46.46,58.84 46.46,58.96 46.4,59.02 45.08,59.02 45.02,59.08 45.02,59.2 45.08,59.26 46.4,59.26 46.46,59.32 46.46,59.44 46.4,59.5 45.08,59.5 45.02,59.56 45.02,59.68 45.08,59.74 45.68,59.74 45.74,59.8 45.74,63.96 46.78,65 63.15,65 64,64.15 v1(64,63.4)